# KiCad board boatcontrol.kicad_pcb (continued)
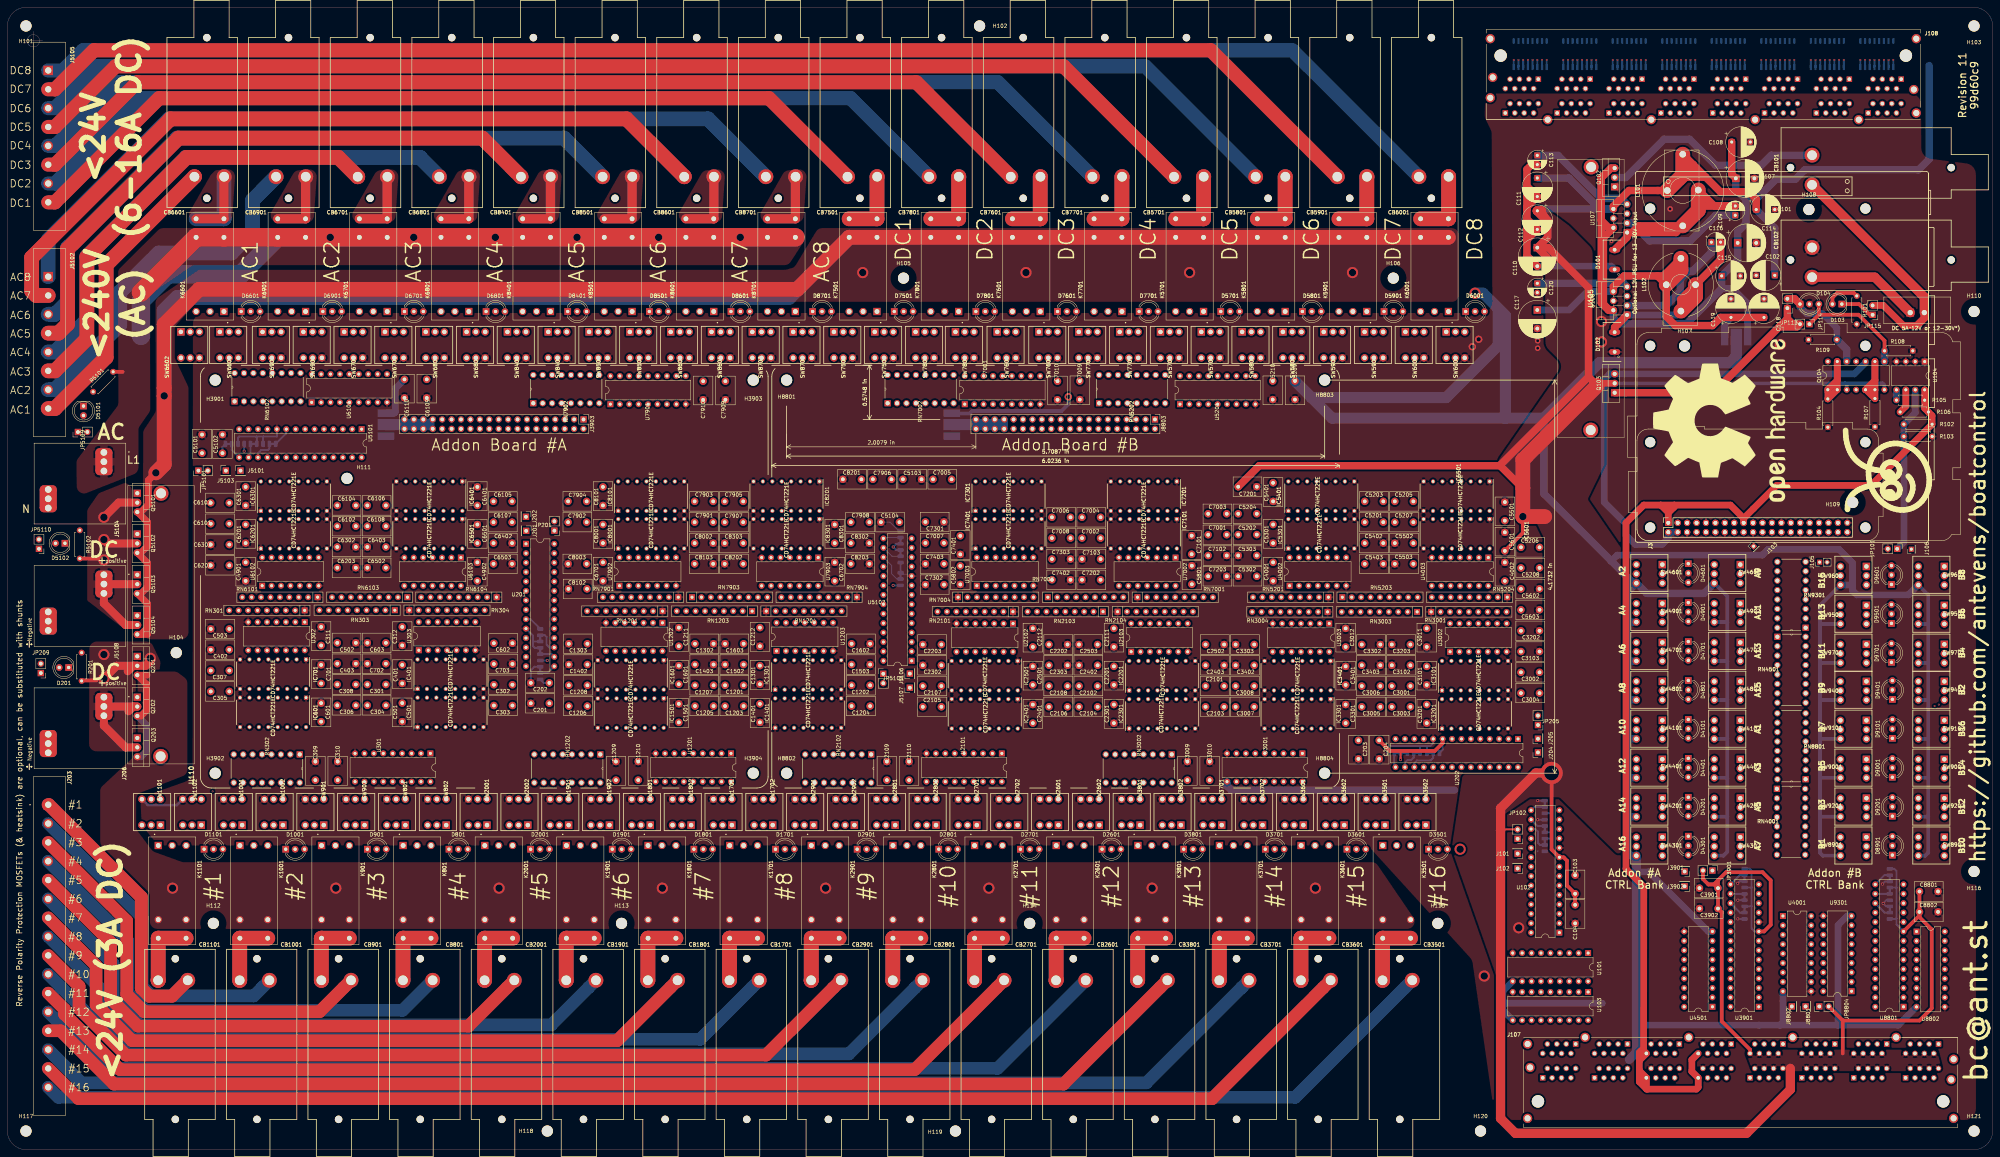
[diagram p0: board, top side]
## Placement (name value [footprint] x y rotation side) (continued)
H121  MountingHole  [MountingHole_3mm]  530 5 0 top
H3901  MountingHole  [MountingHole_3mm]  56 207.5 0 top
H3902  MountingHole  [MountingHole_3mm]  56 101.5 0 top
H3903  MountingHole  [MountingHole_3mm]  201 207.5 0 top
H3904  MountingHole  [MountingHole_3mm]  201 101.5 0 top
H8801  MountingHole  [MountingHole_3mm]  210 207.5 0 top
H8802  MountingHole  [MountingHole_3mm]  210 101.5 0 top
H8803  MountingHole  [MountingHole_3mm]  355 207.5 0 top
H8804  MountingHole  [MountingHole_3mm]  355 101.5 0 top
IC401  CD74HCT221E  [DIP794W53P254L1930H508Q16N]  119.41 128.2 90 top
IC501  CD74HCT221E  [DIP794W53P254L1930H508Q16N]  119.41 117.9 90 top
IC601  CD74HCT221E  [DIP794W53P254L1930H508Q16N]  71.59 117.9 270 top
IC701  CD74HCT221E  [DIP794W53P254L1930H508Q16N]  71.59 128.2 270 top
IC1301  CD74HCT221E  [DIP794W53P254L1930H508Q16N]  215.81 128 90 top
IC1401  CD74HCT221E  [DIP794W53P254L1930H508Q16N]  215.81 117.7 90 top
IC1501  CD74HCT221E  [DIP794W53P254L1930H508Q16N]  167.99 117.7 270 top
IC1601  CD74HCT221E  [DIP794W53P254L1930H508Q16N]  167.99 128 270 top
IC2201  CD74HCT221E  [DIP794W53P254L1930H508Q16N]  311.21 127.8 90 top
IC2301  CD74HCT221E  [DIP794W53P254L1930H508Q16N]  311.21 117.5 90 top
IC2401  CD74HCT221E  [DIP794W53P254L1930H508Q16N]  263.39 117.5 270 top
IC2501  CD74HCT221E  [DIP794W53P254L1930H508Q16N]  263.39 127.8 270 top
IC3101  CD74HCT221E  [DIP794W53P254L1930H508Q16N]  395.51 127.8 90 top
IC3201  CD74HCT221E  [DIP794W53P254L1930H508Q16N]  395.51 117.5 90 top
IC3301  CD74HCT221E  [DIP794W53P254L1930H508Q16N]  347.69 117.5 270 top
IC3401  CD74HCT221E  [DIP794W53P254L1930H508Q16N]  347.69 127.8 270 top
IC5301  CD74HCT221E  [DIP794W53P254L1930H508Q16N]  354.1 166.05 90 top
IC5401  CD74HCT221E  [DIP794W53P254L1930H508Q16N]  354.1 176.2 90 top
IC5501  CD74HCT221E  [DIP794W53P254L1930H508Q16N]  390.56 176.2 270 top
IC5601  CD74HCT221E  [DIP794W53P254L1930H508Q16N]  390.56 166.05 270 top
IC6201  CD74HCT221E  [DIP794W53P254L1930H508Q16N]  77.19 166.05 90 top
IC6301  CD74HCT221E  [DIP794W53P254L1930H508Q16N]  77.19 176.2 90 top
IC6401  CD74HCT221E  [DIP794W53P254L1930H508Q16N]  113.71 176.2 270 top
IC6501  CD74HCT221E  [DIP794W53P254L1930H508Q16N]  113.71 166.05 270 top
IC7101  CD74HCT221E  [DIP794W53P254L1930H508Q16N]  306.25 166.05 270 top
IC7201  CD74HCT221E  [DIP794W53P254L1930H508Q16N]  306.25 176.2 270 top
IC7301  CD74HCT221E  [DIP794W53P254L1930H508Q16N]  269.8 176.2 90 top
IC7401  CD74HCT221E  [DIP794W53P254L1930H508Q16N]  269.8 166.05 90 top
IC8001  CD74HCT221E  [DIP794W53P254L1930H508Q16N]  173.5 166.05 90 top
IC8101  CD74HCT221E  [DIP794W53P254L1930H508Q16N]  173.5 176.2 90 top
IC8201  CD74HCT221E  [DIP794W53P254L1930H508Q16N]  209.96 176.2 270 top
IC8301  CD74HCT221E  [DIP794W53P254L1930H508Q16N]  209.96 166.05 270 top
J3  40HAT  [Raspberry_Pi_Any_Socketed_THT_FaceDown_MountingHoles]  438.98 164 90 top
J101  Conn_01x01_Male  [PinHeader_1x01_P2.54mm_Vertical]  407 79.8 180 top
J102  Conn_01x01_Male  [PinHeader_1x01_P2.54mm_Vertical]  407 75.8 180 top
J103  Conn_01x01_Male  [PinHeader_1x01_P2.00mm_Vertical]  470.6 162.7 45 top
J105  Conn_01x02_Male  [PinHeader_1x02_P2.00mm_Vertical]  488.4 158.4 90 top
J106  Conn_01x01_Male  [PinHeader_1x01_P2.00mm_Vertical]  513.1 161.9 90 top
J107  SS73100-047F  [STEWART_SS73100-047F]  453.12 13 0 top
J108  SS73100-047F  [STEWART_SS73100-047F]  471 295 180 top
J111  TBL008V-1000-02BE  [CUI_TBP02R2W-381-02BE]  512.8 225.7 0 top
J201  Conn_01x01_Male  [PinHeader_1x01_P2.54mm_Vertical]  139.8 166.85 270 top
J202  Conn_01x01_Male  [PinHeader_1x01_P2.54mm_Vertical]  139.75 170.65 270 top
J203  TBP01R2W-508-16BE  [CUI_TBP01R2W-508-16BE]  11 93 270 top
J204  Conn_01x01_Male  [PinHeader_1x01_P2.54mm_Vertical]  412.48 107.09 90 top
J205  Conn_01x01_Male  [PinHeader_1x01_P2.54mm_Vertical]  412.48 110.79 90 top
J206  TBL008V-1000-02BE  [CUI_TBL008V-1000-02BE]  26 122 270 top
J3901  Conn_01x01_Male  [PinHeader_1x01_P2.54mm_Vertical]  452 75 180 top
J3902  Conn_01x01_Male  [PinHeader_1x01_P2.54mm_Vertical]  452 71 180 top
J3903  Conn_02x20_Odd_Even Socket  [PinHeader_2x20_P2.54mm_Vertical]  155.26 196.9 270 top
J5101  Conn_01x01_Male  [PinHeader_1x01_P2.54mm_Vertical]  62.82 183.09 0 top
J5102  TBP01R2W-508-08BE  [CUI_TBP01R2W-508-08BE]  11 235.4 270 top
J5103  Conn_01x01_Male  [PinHeader_1x01_P2.54mm_Vertical]  58.87 183.09 0 top
J5104  TBL008V-1000-02BE  [CUI_TBL008V-1000-02BE]  26 188 270 top
J5105  TBP01R2W-508-08BE  [CUI_TBP01R2W-508-08BE]  11 291 270 top
J5106  Conn_01x01_Male  [PinHeader_1x01_P2.54mm_Vertical]  243.2 128.35 90 top
J5107  Conn_01x01_Male  [PinHeader_1x01_P2.54mm_Vertical]  243.2 124.55 90 top
J5108  TBL008V-1000-02BE  [CUI_TBL008V-1000-02BE]  26 155 270 top
J8801  Conn_01x01_Male  [PinHeader_1x01_P2.54mm_Vertical]  484.6 38.6 90 top
J8802  Conn_01x01_Male  [PinHeader_1x01_P2.54mm_Vertical]  480.9 38.6 90 top
J8803  Conn_02x20_Odd_Even Socket  [PinHeader_2x20_P2.54mm_Vertical]  309.26 196.9 270 top
JP101  Jumper_NO_Small  [PinHeader_1x02_P2.54mm_Vertical]  509.3 162 270 top
JP102  Jumper_NO_Small  [PinHeader_1x02_P2.54mm_Vertical]  407 83.8 180 top
JP103  SolderJumper_3_Bridged12  [SolderJumper-3_LargeGap_Bridged12_RoundedPad1.0x1.5mm]  414.3 82.15 270 bottom
JP104  SolderJumper_3_Bridged12  [SolderJumper-3_LargeGap_Bridged12_RoundedPad1.0x1.5mm]  414.3 87.25 90 bottom
JP105  SolderJumper_3_Bridged12  [SolderJumper-3_LargeGap_Bridged12_RoundedPad1.0x1.5mm]  414.3 92.4 270 bottom
JP106  SolderJumper_3_Bridged12  [SolderJumper-3_LargeGap_Bridged12_RoundedPad1.0x1.5mm]  507.3 63.9 270 bottom
JP107  SolderJumper_3_Bridged12  [SolderJumper-3_LargeGap_Bridged12_RoundedPad1.0x1.5mm]  507.3 68.95 270 bottom
JP108  SolderJumper_3_Bridged12  [SolderJumper-3_LargeGap_Bridged12_RoundedPad1.0x1.5mm]  507.3 74 90 bottom
JP109  SolderJumper_3_Bridged12  [SolderJumper-3_LargeGap_Bridged12_RoundedPad1.0x1.5mm]  468.15 63.9 270 bottom
JP110  SolderJumper_3_Open  [SolderJumper-3_P1.3mm_Open_RoundedPad3.0x4.5mm_NumberLabels]  465.9 219.1 0 bottom
JP111  SolderJumper_3_Bridged12  [SolderJumper-3_LargeGap_Bridged12_RoundedPad1.0x1.5mm]  468.15 68.95 90 bottom
JP112  SolderJumper_3_Bridged12  [SolderJumper-3_LargeGap_Bridged12_RoundedPad1.0x1.5mm]  468.15 74.05 90 bottom
JP113  Jumper_NO_Small  [PinHeader_1x02_P2.54mm_Vertical]  479.7 226.9 180 top
JP114  Jumper_NC_Small  [PinHeader_1x02_P2.54mm_Vertical]  485.65 222.6 270 top
JP115  Jumper_NC_Small  [PinHeader_1x02_P2.54mm_Vertical]  502.67 225.1 180 top
JP201  Jumper_NO_Small  [PinHeader_1x02_P2.54mm_Vertical]  147.4 166.9 180 top
JP202  SolderJumper_3_Bridged12  [SolderJumper-3_LargeGap_Bridged12_RoundedPad1.0x1.5mm]  143.6 138.7 90 bottom
JP203  SolderJumper_3_Bridged12  [SolderJumper-3_LargeGap_Bridged12_RoundedPad1.0x1.5mm]  143.6 133.6 270 bottom
JP204  SolderJumper_3_Bridged12  [SolderJumper-3_LargeGap_Bridged12_RoundedPad1.0x1.5mm]  143.6 128.5 270 bottom
JP205  Jumper_NO_Small  [PinHeader_1x02_P2.54mm_Vertical]  412.48 114.49 180 top
JP206  SolderJumper_3_Bridged12  [SolderJumper-3_LargeGap_Bridged12_RoundedPad1.0x1.5mm]  384.25 106.95 0 bottom
JP207  SolderJumper_3_Bridged12  [SolderJumper-3_LargeGap_Bridged12_RoundedPad1.0x1.5mm]  379 107 180 bottom
JP208  SolderJumper_3_Bridged12  [SolderJumper-3_LargeGap_Bridged12_RoundedPad1.0x1.5mm]  373.75 106.94 180 bottom
JP209  Jumper_NC_Small  [PinHeader_1x02_P2.54mm_Vertical]  9 128.5 180 top
JP210  SolderJumper_3_Bridged12  [SolderJumper-3_P1.3mm_Open_RoundedPad3.0x4.5mm_NumberLabels]  254.5 195.5 90 bottom
JP3901  Jumper_NO_Small  [PinHeader_1x02_P2.54mm_Vertical]  459.5 75.25 270 top
JP5101  Jumper_NO_Small  [PinHeader_1x02_P2.54mm_Vertical]  51.46 183.09 90 top
JP5102  SolderJumper_3_Bridged12  [SolderJumper-3_LargeGap_Bridged12_RoundedPad1.0x1.5mm]  70.6 190.3 180 bottom
JP5103  SolderJumper_3_Bridged12  [SolderJumper-3_LargeGap_Bridged12_RoundedPad1.0x1.5mm]  65.5 190.3 180 bottom
JP5104  SolderJumper_3_Bridged12  [SolderJumper-3_LargeGap_Bridged12_RoundedPad1.0x1.5mm]  60.45 190.29 0 bottom
JP5105  Jumper_NO_Small  [PinHeader_1x02_P2.54mm_Vertical]  236.05 128.3 0 top
JP5106  SolderJumper_3_Bridged12  [SolderJumper-3_LargeGap_Bridged12_RoundedPad1.0x1.5mm]  240.7 153.85 270 bottom
JP5107  SolderJumper_3_Bridged12  [SolderJumper-3_LargeGap_Bridged12_RoundedPad1.0x1.5mm]  240.7 160 270 bottom
JP5108  SolderJumper_3_Bridged12  [SolderJumper-3_LargeGap_Bridged12_RoundedPad1.0x1.5mm]  240.7 165.05 90 bottom
JP5109  Jumper_NC_Small  [PinHeader_1x02_P2.54mm_Vertical]  19 193.5 90 top
JP5110  Jumper_NC_Small  [PinHeader_1x02_P2.54mm_Vertical]  8.5 162 180 top
JP8701  SolderJumper_3_Bridged12  [SolderJumper-3_P1.3mm_Open_RoundedPad3.0x4.5mm_NumberLabels]  102 195.5 90 bottom
JP8804  Jumper_NO_Small  [PinHeader_1x02_P2.54mm_Vertical]  488.3 38.6 90 top
K801  G5RL-K1A-E-DC12  [RELAY_G5RL-K1A-E-DC12]  110.4 72 270 top
K901  G5RL-K1A-E-DC12  [RELAY_G5RL-K1A-E-DC12]  88.4 72 270 top
K1001  G5RL-K1A-E-DC12  [RELAY_G5RL-K1A-E-DC12]  66.4 72 270 top
K1101  G5RL-K1A-E-DC12  [RELAY_G5RL-K1A-E-DC12]  44.4 72 270 top
K1701  G5RL-K1A-E-DC12  [RELAY_G5RL-K1A-E-DC12]  198.4 72 270 top
K1801  G5RL-K1A-E-DC12  [RELAY_G5RL-K1A-E-DC12]  176.4 72 270 top
K1901  G5RL-K1A-E-DC12  [RELAY_G5RL-K1A-E-DC12]  154.4 72 270 top
K2001  G5RL-K1A-E-DC12  [RELAY_G5RL-K1A-E-DC12]  132.4 72 270 top
K2601  G5RL-K1A-E-DC12  [RELAY_G5RL-K1A-E-DC12]  286.4 72 270 top
K2701  G5RL-K1A-E-DC12  [RELAY_G5RL-K1A-E-DC12]  264.4 72 270 top
K2801  G5RL-K1A-E-DC12  [RELAY_G5RL-K1A-E-DC12]  242.4 72 270 top
K2901  G5RL-K1A-E-DC12  [RELAY_G5RL-K1A-E-DC12]  220.4 72 270 top
K3501  G5RL-K1A-E-DC12  [RELAY_G5RL-K1A-E-DC12]  374.4 72 270 top
K3601  G5RL-K1A-E-DC12  [RELAY_G5RL-K1A-E-DC12]  352.4 72 270 top
K3701  G5RL-K1A-E-DC12  [RELAY_G5RL-K1A-E-DC12]  330.4 72 270 top
K3801  G5RL-K1A-E-DC12  [RELAY_G5RL-K1A-E-DC12]  308.4 72 270 top
K5701  G5RL-K1A-E-DC12  [RELAY_G5RL-K1A-E-DC12]  318.6 236 90 top
K5801  G5RL-K1A-E-DC12  [RELAY_G5RL-K1A-E-DC12]  340.6 236 90 top
K5901  G5RL-K1A-E-DC12  [RELAY_G5RL-K1A-E-DC12]  362.6 236 90 top
K6001  G5RL-K1A-E-DC12  [RELAY_G5RL-K1A-E-DC12]  384.6 236 90 top
K6601  G5RL-K1A-E-DC12  [RELAY_G5RL-K1A-E-DC12]  54.6 236 90 top
K6701  G5RL-K1A-E-DC12  [RELAY_G5RL-K1A-E-DC12]  98.6 236 90 top
K6801  G5RL-K1A-E-DC12  [RELAY_G5RL-K1A-E-DC12]  120.6 236 90 top
K6901  G5RL-K1A-E-DC12  [RELAY_G5RL-K1A-E-DC12]  76.6 236 90 top
K7501  G5RL-K1A-E-DC12  [RELAY_G5RL-K1A-E-DC12]  230.6 236 90 top
K7601  G5RL-K1A-E-DC12  [RELAY_G5RL-K1A-E-DC12]  274.6 236 90 top
K7701  G5RL-K1A-E-DC12  [RELAY_G5RL-K1A-E-DC12]  296.6 236 90 top
K7801  G5RL-K1A-E-DC12  [RELAY_G5RL-K1A-E-DC12]  252.6 236 90 top
K8401  G5RL-K1A-E-DC12  [RELAY_G5RL-K1A-E-DC12]  142.6 236 90 top
K8501  G5RL-K1A-E-DC12  [RELAY_G5RL-K1A-E-DC12]  164.6 236 90 top
K8601  G5RL-K1A-E-DC12  [RELAY_G5RL-K1A-E-DC12]  186.6 236 90 top
K8701  G5RL-K1A-E-DC12  [RELAY_G5RL-K1A-E-DC12]  208.6 236 90 top
L101  15µH  [L_Toroid_Horizontal_Vertical_2103-RC_P19.403mm_Bourns_2100]  451.5 249.1 90 top
L102  10µH  [L_Toroid_Horizontal_Vertical_2000-100-RC_P14.244mm_Bourns_2000]  451 225.6 90 top
LOGO101  Open Hardware  [OSHW-Logo2_48.7x40mm_SilkScreen]  462 196.6 90 top
LOGO102  Logo_Open_Hardware_Small  [KiCad-Logo2_40mm_SilkScreen]  507.5 225 270 bottom
LOGO103  Logo_Open_Hardware_Small  [OSHW-Logo_38.1x40mm_SilkScreen]  378 27 270 bottom
Q102  IPP120P04P4L-03  [TO-220-3_Vertical]  433.15 259.6 90 top
Q103  IPP120P04P4L-03  [TO-220-3_Vertical]  433.15 204.1 90 top
Q104  Q_QUAD_PNP  [DIP-14_W7.62mm]  490.6 204.9 90 top
Q201  IPP120P04P4L-03  [TO-220-3_Vertical]  35 133 270 top
Q202  IPP120P04P4L-03  [TO-220-3_Vertical]  35 122 270 top
Q203  IPP120P04P4L-03  [TO-220-3_Vertical]  35 111 270 top
Q5101  IPP120P04P4L-03  [TO-220-3_Vertical]  35 177 270 top
Q5102  IPP120P04P4L-03  [TO-220-3_Vertical]  35 166 270 top
Q5103  IPP120P04P4L-03  [TO-220-3_Vertical]  35 155 270 top
Q5104  IPP120P04P4L-03  [TO-220-3_Vertical]  35 144 270 top
R101  680Ω  [R_Axial_DIN0207_L6.3mm_D2.5mm_P7.62mm_Horizontal]  498.4 230.2 270 top
R102  10K  [R_Axial_DIN0207_L6.3mm_D2.5mm_P7.62mm_Horizontal]  518.7 195.6 180 top
R103  DNP  [R_Axial_DIN0207_L6.3mm_D2.5mm_P7.62mm_Horizontal]  511.1 192.3 0 top
R104  10K  [R_Axial_DIN0207_L6.3mm_D2.5mm_P7.62mm_Horizontal]  490.6 194.8 90 top
R105  3.9K  [R_Axial_DIN0207_L6.3mm_D2.5mm_P7.62mm_Horizontal]  516.7 202.1 180 top
R106  3.9K  [R_Axial_DIN0207_L6.3mm_D2.5mm_P7.62mm_Horizontal]  517.7 198.9 180 top
R107  10K  [R_Axial_DIN0207_L6.3mm_D2.5mm_P7.62mm_Horizontal]  503.3 194.9 90 top
R108  47K  [R_Axial_DIN0207_L6.3mm_D2.5mm_P7.62mm_Horizontal]  513.5 215.4 180 top
R109  47K  [R_Axial_DIN0207_L6.3mm_D2.5mm_P7.62mm_Horizontal]  485.4 218.4 0 top
R201  680Ω  [R_Axial_DIN0207_L6.3mm_D2.5mm_P7.62mm_Horizontal]  20 134 270 top
R5101  12KΩ  [R_Axial_DIN0207_L6.3mm_D2.5mm_P7.62mm_Horizontal]  23.1 204.35 45 top
R5102  680Ω  [R_Axial_DIN0207_L6.3mm_D2.5mm_P7.62mm_Horizontal]  19.5 167 270 top
RN101  10KΩ  [SOIC-16W_5.3x10.2mm_P1.27mm]  410.4 295.4 90 bottom
RN102  10KΩ  [SOIC-16W_5.3x10.2mm_P1.27mm]  423.74 295.4 90 bottom
RN103  10KΩ  [SOIC-16W_5.3x10.2mm_P1.27mm]  437.09 295.4 90 bottom
RN104  10KΩ  [SOIC-16W_5.3x10.2mm_P1.27mm]  450.43 295.4 90 bottom
RN105  10KΩ  [SOIC-16W_5.3x10.2mm_P1.27mm]  463.77 295.4 90 bottom
RN106  10KΩ  [SOIC-16W_5.3x10.2mm_P1.27mm]  477.11 295.4 90 bottom
RN107  10KΩ  [SOIC-16W_5.3x10.2mm_P1.27mm]  490.46 295.4 90 bottom
RN108  10KΩ  [SOIC-16W_5.3x10.2mm_P1.27mm]  503.8 295.4 90 bottom
RN301  100KΩ  [R_Array_SIP9]  80.1 145.4 180 top
RN302  680Ω  [DIP254P762X432-16P]  61 98.95 270 top
RN303  10MΩ  [R_Array_SIP9]  104.4 145.45 180 top
RN304  100KΩ  [R_Array_SIP9]  108.3 145.45 0 top
RN1201  100KΩ  [R_Array_SIP9]  176.55 145.2 180 top
RN1202  680Ω  [DIP254P762X432-16P]  142 98.95 270 top
RN1203  10MΩ  [R_Array_SIP9]  200.7 145.2 180 top
RN1204  100KΩ  [R_Array_SIP9]  204.5 145.2 0 top
RN2101  100KΩ  [R_Array_SIP9]  270.99 145.05 180 top
RN2102  680Ω  [DIP254P762X432-16P]  215 98.95 270 top
RN2103  10MΩ  [R_Array_SIP9]  295.26 145.05 180 top
RN2104  100KΩ  [R_Array_SIP9]  299.19 145.05 0 top
RN3001  100KΩ  [R_Array_SIP9]  383.7 145 0 top
RN3002  680Ω  [DIP254P762X432-16P]  296 98.95 270 top
RN3003  10MΩ  [R_Array_SIP9]  379.92 145 180 top
RN3004  100KΩ  [R_Array_SIP9]  355.78 145 180 top
RN4001  4116R-1-471  [DIP254P762X432-16P]  484.5 79.5 0 top
RN4501  4116R-1-471  [DIP254P762X432-16P]  484.62 120.5 0 top
RN5201  100KΩ  [R_Array_SIP9]  356 148.95 180 top
RN5202  680Ω  [DIP254P762X432-16P]  312 208.89 90 top
RN5203  10MΩ  [R_Array_SIP9]  359.75 148.95 0 top
RN5204  100KΩ  [R_Array_SIP9]  404.2 148.95 180 top
RN6101  100KΩ  [R_Array_SIP9]  83.6 148.95 180 top
RN6102  680Ω  [DIP254P762X432-16P]  79 209.39 90 top
RN6103  10MΩ  [R_Array_SIP9]  107.8 148.95 180 top
RN6104  100KΩ  [R_Array_SIP9]  131.82 148.95 180 top
RN7001  100KΩ  [R_Array_SIP9]  304.55 148.95 0 top
RN7002  680Ω  [DIP254P762X432-16P]  255 208.89 90 top
RN7003  10MΩ  [R_Array_SIP9]  280.4 148.95 0 top
RN7004  100KΩ  [R_Array_SIP9]  256.2 148.95 0 top
RN7901  100KΩ  [R_Array_SIP9]  180.8 148.95 180 top
RN7902  680Ω  [DIP254P762X432-16P]  159.5 208.89 90 top
RN7903  10MΩ  [R_Array_SIP9]  184.5 148.95 0 top
RN7904  100KΩ  [R_Array_SIP9]  228.9 148.95 180 top
RN8801  4116R-1-471  [DIP254P762X432-16P]  477 117.66 180 top
RN9301  4116R-1-471  [DIP254P762X432-16P]  477 158.5 180 top
SW801  ESB30  [SW_PUSH_ESB30_DPDT]  105 91 90 top
SW802  ESB30  [SW_PUSH_ESB30_DPDT]  116 91 90 top
SW901  ESB30  [SW_PUSH_ESB30_DPDT]  83 91 90 top
SW902  ESB30  [SW_PUSH_ESB30_DPDT]  94 91 90 top
SW1001  ESB30  [SW_PUSH_ESB30_DPDT]  61 91 90 top
SW1002  ESB30  [SW_PUSH_ESB30_DPDT]  72 91 90 top
SW1101  ESB30  [SW_PUSH_ESB30_DPDT]  39 91 90 top
SW1102  ESB30  [SW_PUSH_ESB30_DPDT]  50 91 90 top
SW1701  ESB30  [SW_PUSH_ESB30_DPDT]  193 91 90 top
SW1702  ESB30  [SW_PUSH_ESB30_DPDT]  204 91 90 top
SW1801  ESB30  [SW_PUSH_ESB30_DPDT]  171 91 90 top
SW1802  ESB30  [SW_PUSH_ESB30_DPDT]  182 91 90 top
SW1901  ESB30  [SW_PUSH_ESB30_DPDT]  149 91 90 top
SW1902  ESB30  [SW_PUSH_ESB30_DPDT]  160 91 90 top
SW2001  ESB30  [SW_PUSH_ESB30_DPDT]  127 91 90 top
SW2002  ESB30  [SW_PUSH_ESB30_DPDT]  138 91 90 top
SW2601  ESB30  [SW_PUSH_ESB30_DPDT]  281 91 90 top
SW2602  ESB30  [SW_PUSH_ESB30_DPDT]  292 91 90 top
SW2701  ESB30  [SW_PUSH_ESB30_DPDT]  259 91 90 top
SW2702  ESB30  [SW_PUSH_ESB30_DPDT]  270 91 90 top
SW2801  ESB30  [SW_PUSH_ESB30_DPDT]  237 91 90 top
SW2802  ESB30  [SW_PUSH_ESB30_DPDT]  248 91 90 top
SW2901  ESB30  [SW_PUSH_ESB30_DPDT]  215 91 90 top
SW2902  ESB30  [SW_PUSH_ESB30_DPDT]  226 91 90 top
SW3501  ESB30  [SW_PUSH_ESB30_DPDT]  369 91 90 top
SW3502  ESB30  [SW_PUSH_ESB30_DPDT]  380 91 90 top
SW3601  ESB30  [SW_PUSH_ESB30_DPDT]  347 91 90 top
SW3602  ESB30  [SW_PUSH_ESB30_DPDT]  358 91 90 top
SW3701  ESB30  [SW_PUSH_ESB30_DPDT]  325 91 90 top
SW3702  ESB30  [SW_PUSH_ESB30_DPDT]  336 91 90 top
SW3801  ESB30  [SW_PUSH_ESB30_DPDT]  303 91 90 top
SW3802  ESB30  [SW_PUSH_ESB30_DPDT]  314 91 90 top
SW4101  ESB30  [SW_PUSH_ESB30_DPDT]  442.5 113.5 180 top
SW4102  ESB30  [SW_PUSH_ESB30_DPDT]  463.5 113.5 180 top
SW4201  ESB30  [SW_PUSH_ESB30_DPDT]  442.5 92.5 180 top
SW4202  ESB30  [SW_PUSH_ESB30_DPDT]  463.5 92.5 180 top
SW4301  ESB30  [SW_PUSH_ESB30_DPDT]  442.5 82 180 top
SW4302  ESB30  [SW_PUSH_ESB30_DPDT]  463.5 82 180 top
SW4401  ESB30  [SW_PUSH_ESB30_DPDT]  442.5 103 180 top
SW4402  ESB30  [SW_PUSH_ESB30_DPDT]  463.5 103 180 top
SW4601  ESB30  [SW_PUSH_ESB30_DPDT]  442.5 155.5 180 top
SW4602  ESB30  [SW_PUSH_ESB30_DPDT]  463.5 155.5 180 top
SW4701  ESB30  [SW_PUSH_ESB30_DPDT]  442.5 134.5 180 top
SW4702  ESB30  [SW_PUSH_ESB30_DPDT]  463.5 134.5 180 top
SW4801  ESB30  [SW_PUSH_ESB30_DPDT]  442.5 124 180 top
SW4802  ESB30  [SW_PUSH_ESB30_DPDT]  463.5 124 180 top
SW4901  ESB30  [SW_PUSH_ESB30_DPDT]  442.5 145 180 top
SW4902  ESB30  [SW_PUSH_ESB30_DPDT]  463.5 145 180 top
SW5701  ESB30  [SW_PUSH_ESB30_DPDT]  324 217 270 top
SW5702  ESB30  [SW_PUSH_ESB30_DPDT]  313 217 270 top
SW5801  ESB30  [SW_PUSH_ESB30_DPDT]  346 217 270 top
SW5802  ESB30  [SW_PUSH_ESB30_DPDT]  335 217 270 top
SW5901  ESB30  [SW_PUSH_ESB30_DPDT]  368 217 270 top
SW5902  ESB30  [SW_PUSH_ESB30_DPDT]  357 217 270 top
SW6001  ESB30  [SW_PUSH_ESB30_DPDT]  390 217 270 top
SW6002  ESB30  [SW_PUSH_ESB30_DPDT]  379 217 270 top
SW6601  ESB30  [SW_PUSH_ESB30_DPDT]  59.5 217 270 top
SW6602  ESB30  [SW_PUSH_ESB30_DPDT]  49 217 270 top
SW6701  ESB30  [SW_PUSH_ESB30_DPDT]  104 217 270 top
SW6702  ESB30  [SW_PUSH_ESB30_DPDT]  93 217 270 top
SW6801  ESB30  [SW_PUSH_ESB30_DPDT]  126 217 270 top
SW6802  ESB30  [SW_PUSH_ESB30_DPDT]  115 217 270 top
SW6901  ESB30  [SW_PUSH_ESB30_DPDT]  82 217 270 top
SW6902  ESB30  [SW_PUSH_ESB30_DPDT]  71 217 270 top
SW7501  ESB30  [SW_PUSH_ESB30_DPDT]  236 217 270 top
SW7502  ESB30  [SW_PUSH_ESB30_DPDT]  225 217 270 top
SW7601  ESB30  [SW_PUSH_ESB30_DPDT]  280.25 217 270 top
SW7602  ESB30  [SW_PUSH_ESB30_DPDT]  269 217 270 top
SW7701  ESB30  [SW_PUSH_ESB30_DPDT]  302 217 270 top
SW7702  ESB30  [SW_PUSH_ESB30_DPDT]  291 217 270 top
SW7801  ESB30  [SW_PUSH_ESB30_DPDT]  257.75 217 270 top
SW7802  ESB30  [SW_PUSH_ESB30_DPDT]  247 217 270 top
SW8401  ESB30  [SW_PUSH_ESB30_DPDT]  148 217 270 top
SW8402  ESB30  [SW_PUSH_ESB30_DPDT]  137 217 270 top
SW8501  ESB30  [SW_PUSH_ESB30_DPDT]  170 217 270 top
SW8502  ESB30  [SW_PUSH_ESB30_DPDT]  159 217 270 top
SW8601  ESB30  [SW_PUSH_ESB30_DPDT]  192 217 270 top
SW8602  ESB30  [SW_PUSH_ESB30_DPDT]  181 217 270 top
SW8701  ESB30  [SW_PUSH_ESB30_DPDT]  214 217 270 top
SW8702  ESB30  [SW_PUSH_ESB30_DPDT]  203 217 270 top
SW8901  ESB30  [SW_PUSH_ESB30_DPDT]  497.5 82 180 top
SW8902  ESB30  [SW_PUSH_ESB30_DPDT]  518.5 82 180 top
SW9001  ESB30  [SW_PUSH_ESB30_DPDT]  497.5 103 180 top
SW9002  ESB30  [SW_PUSH_ESB30_DPDT]  518.5 103 180 top
SW9101  ESB30  [SW_PUSH_ESB30_DPDT]  497.5 113.5 180 top
SW9102  ESB30  [SW_PUSH_ESB30_DPDT]  518.5 113.5 180 top
SW9201  ESB30  [SW_PUSH_ESB30_DPDT]  497.5 92.5 180 top
SW9202  ESB30  [SW_PUSH_ESB30_DPDT]  518.5 92.5 180 top
SW9401  ESB30  [SW_PUSH_ESB30_DPDT]  497.5 124 180 top
SW9402  ESB30  [SW_PUSH_ESB30_DPDT]  518.5 124 180 top
SW9501  ESB30  [SW_PUSH_ESB30_DPDT]  497.5 144.5 180 top
SW9502  ESB30  [SW_PUSH_ESB30_DPDT]  518.5 144.5 180 top
SW9601  ESB30  [SW_PUSH_ESB30_DPDT]  497.5 155 180 top
SW9602  ESB30  [SW_PUSH_ESB30_DPDT]  518.5 155 180 top
SW9701  ESB30  [SW_PUSH_ESB30_DPDT]  497.5 134 180 top
SW9702  ESB30  [SW_PUSH_ESB30_DPDT]  518.5 134 180 top
U101  ULN2803A  [DIP-18_W7.62mm]  426 53 270 top
U102  MCP23017-E/SP  [DIP-28_W7.62mm]  418.25 58.5 180 top
U103  ULN2803A  [DIP-18_W7.62mm]  426 42.5 270 top
U104  24FC128-I/P  [DIP-8_W7.62mm]  516.7 212.5 270 top
U105  OMNI-220-18-75-3C  [OMNI22018753C]  426.7 200 270 top
U107  LM2679T-5.0  [TO-220-7_P2.54x3.7mm_StaggerOdd_Lead3.8mm_Vertical]  436.5 247.3 90 top
U108  LM2679T-12  [TO-220-7_P2.54x3.7mm_StaggerOdd_Lead3.8mm_Vertical]  436.5 225.07 90 top
U110  OMNI-220-18-75-3C  [OMNI22018753C]  41.4 171 90 top
U201  MCP23017-E/SP  [DIP-28_W7.62mm]  139.75 163.35 0 top
U202  MCP23017-E/SP  [DIP-28_W7.62mm]  407.11 110.74 270 top
U301  ULN2803A  [DIP-18_W7.62mm]  114 106.83 270 top
U302  74HC86  [DIP-14_W7.62mm]  80.13 142.25 270 top
U303  74HC86  [DIP-14_W7.62mm]  110.87 134.65 90 top
U1201  ULN2803A  [DIP-18_W7.62mm]  195 106.83 270 top
U1202  74HC86  [DIP-14_W7.62mm]  176.53 142.05 270 top
U1203  74HC86  [DIP-14_W7.62mm]  207.27 134.45 90 top
U2101  ULN2803A  [DIP-18_W7.62mm]  268 106.83 270 top
U2102  74HC86  [DIP-14_W7.62mm]  271.01 141.85 270 top
U2103  74HC86  [DIP-14_W7.62mm]  302.84 134.25 90 top
U3001  ULN2803A  [DIP-18_W7.62mm]  349 106.83 270 top
U3002  74HC86  [DIP-14_W7.62mm]  388.8 134.25 90 top
U3003  74HC86  [DIP-14_W7.62mm]  356.23 141.85 270 top
U3901  MCP23017-E/SP  [DIP-28_W7.62mm]  472 38.5 180 top
U4001  TBD62783APG  [DIP-18_W7.62mm]  478.5 63 0 top
U4002  74HC86  [DIP-14_W7.62mm]  345.55 152.05 90 top
U4003  74HC86  [DIP-14_W7.62mm]  399.1 159.65 270 top
U4501  TBD62783APG  [DIP-18_W7.62mm]  459.5 38.5 180 top
U5101  MCP23017-E/SP  [DIP-28_W7.62mm]  95.47 194.27 270 top
U5102  MCP23017-E/SP  [DIP-28_W7.62mm]  243.7 131.8 180 top
U5201  ULN2803A  [DIP-18_W7.62mm]  316 201 90 top
U6101  ULN2803A  [DIP-18_W7.62mm]  82 201.5 90 top
U6102  74HC86  [DIP-14_W7.62mm]  68.65 152.05 90 top
U6103  74HC86  [DIP-14_W7.62mm]  122.2 159.65 270 top
U7001  ULN2803A  [DIP-18_W7.62mm]  258 201 90 top
U7002  74HC86  [DIP-14_W7.62mm]  314.8 159.65 270 top
U7003  74HC86  [DIP-14_W7.62mm]  261.25 152.05 90 top
U7901  ULN2803A  [DIP-18_W7.62mm]  162.5 201 90 top
U7902  74HC86  [DIP-14_W7.62mm]  164.95 152.05 90 top
U7903  74HC86  [DIP-14_W7.62mm]  218.5 159.65 270 top
U8801  MCP23017-E/SP  [DIP-28_W7.62mm]  511 38.5 180 top
U8802  TBD62783APG  [DIP-18_W7.62mm]  514.5 58.8 0 top
U9301  TBD62783APG  [DIP-18_W7.62mm]  497 42.7 180 top

## Footprints (pads in the part's own frame, mm; a bottom-side part is the same pattern mirrored in y, then rotated)
C_Disc_D7.5mm_W5.0mm_P5.00mm
  round 2 hole 1: 1(0,0) 2(5,0)
CP_Radial_D5.0mm_P2.50mm
  rect 1.6x1.6 hole 0.8: 1(0,0)
  round 1.6 hole 0.8: 2(2.5,0)
CP_Radial_D8.0mm_P5.00mm
  rect 1.6x1.6 hole 0.8: 1(0,0)
  round 1.6 hole 0.8: 2(5,0)
CP_Radial_D10.0mm_P5.00mm
  rect 2x2 hole 1: 1(0,0)
  round 2 hole 1: 2(5,0)
CUI_TBL008V-1000-02BE
  oval 2.3x4.6 hole 1.8: 1_1(0,0) 1_3(5,0) 2_1(10,-15) 2_3(15,-15)
  rect 5x4.6 hole 1.8: 1_2(2.5,0) 2_2(12.5,-15)
CUI_TBP01R2W-508-08BE
  rect 2.55x2.55 hole 1.7: 1(0,0)
  round 2.55 hole 1.7: 2(5.08,0) 3(10.16,0) 4(15.24,0) 5(20.32,0) 6(25.4,0) 7(30.48,0) 8(35.56,0)
CUI_TBP01R2W-508-16BE
  rect 2.55x2.55 hole 1.7: 1(0,0)
  round 2.55 hole 1.7: 2(5.08,0) 3(10.16,0) 4(15.24,0) 5(20.32,0) 6(25.4,0) 7(30.48,0) 8(35.56,0) 9(40.64,0) 10(45.72,0) 11(50.8,0) 12(55.88,0) 13(60.96,0) 14(66.04,0) 15(71.12,0) 16(76.2,0)
CUI_TBP02R2W-381-02BE
  rect 2.1x2.1 hole 1.4: 1(0,0)
  round 2.1 hole 1.4: 2(3.81,0)
DIP254P762X432-16P
  rect 1.676x1.676 hole 1.118: 1(-7.62,17.78)
  round 1.676 hole 1.118: 2(-7.62,15.24) 3(-7.62,12.7) 4(-7.62,10.16) 5(-7.62,7.62) 6(-7.62,5.08) 7(-7.62,2.54) 8(-7.62,0) 9(0,0) 10(0,2.54) 11(0,5.08) 12(0,7.62) 13(0,10.16) 14(0,12.7) 15(0,15.24) 16(0,17.78)
DIP794W53P254L1930H508Q16N
  rect 1.13x1.13 hole 0.73: 1(-3.97,8.89)
  round 1.13 hole 0.73: 2(-3.97,6.35) 3(-3.97,3.81) 4(-3.97,1.27) 5(-3.97,-1.27) 6(-3.97,-3.81) 7(-3.97,-6.35) 8(-3.97,-8.89) 9(3.97,-8.89) 10(3.97,-6.35) 11(3.97,-3.81) 12(3.97,-1.27) 13(3.97,1.27) 14(3.97,3.81) 15(3.97,6.35) 16(3.97,8.89)
DIP-8_W7.62mm
  rect 1.6x1.6 hole 0.8: 1(0,0)
  oval 1.6x1.6 hole 0.8: 2(0,-2.54) 3(0,-5.08) 4(0,-7.62) 5(7.62,-7.62) 6(7.62,-5.08) 7(7.62,-2.54) 8(7.62,0)
DIP-14_W7.62mm
  rect 1.6x1.6 hole 0.8: 1(0,0)
  oval 1.6x1.6 hole 0.8: 2(0,-2.54) 3(0,-5.08) 4(0,-7.62) 5(0,-10.16) 6(0,-12.7) 7(0,-15.24) 8(7.62,-15.24) 9(7.62,-12.7) 10(7.62,-10.16) 11(7.62,-7.62) 12(7.62,-5.08) 13(7.62,-2.54) 14(7.62,0)
DIP-18_W7.62mm
  rect 1.6x1.6 hole 0.8: 1(0,0)
  oval 1.6x1.6 hole 0.8: 2(0,-2.54) 3(0,-5.08) 4(0,-7.62) 5(0,-10.16) 6(0,-12.7) 7(0,-15.24) 8(0,-17.78) 9(0,-20.32) 10(7.62,-20.32) 11(7.62,-17.78) 12(7.62,-15.24) 13(7.62,-12.7) 14(7.62,-10.16) 15(7.62,-7.62) 16(7.62,-5.08) 17(7.62,-2.54) 18(7.62,0)
DIP-28_W7.62mm
  rect 1.6x1.6 hole 0.8: 1(0,0)
  oval 1.6x1.6 hole 0.8: 2(0,-2.54) 3(0,-5.08) 4(0,-7.62) 5(0,-10.16) 6(0,-12.7) 7(0,-15.24) 8(0,-17.78) 9(0,-20.32) 10(0,-22.86) 11(0,-25.4) 12(0,-27.94) 13(0,-30.48) 14(0,-33.02) 15(7.62,-33.02) 16(7.62,-30.48) 17(7.62,-27.94) 18(7.62,-25.4) 19(7.62,-22.86) 20(7.62,-20.32) 21(7.62,-17.78) 22(7.62,-15.24) 23(7.62,-12.7) 24(7.62,-10.16) 25(7.62,-7.62) 26(7.62,-5.08) 27(7.62,-2.54) 28(7.62,0)
L_Toroid_Horizontal_Vertical_2000-100-RC_P14.244mm_Bourns_2000
  round 3.6 hole 1.8: 1(0.508,0) 1(7.62,-3.937) 2(7.62,3.937) 2(14.732,0)
L_Toroid_Horizontal_Vertical_2103-RC_P19.403mm_Bourns_2100
  round 3.6 hole 1.8: 1(0,0) 1(9.652,-4.191) 2(9.525,4.191) 2(19.304,0)
LED_D5.0mm
  rect 1.8x1.8 hole 0.9: 1(0,0)
  round 1.8 hole 0.9: 2(2.54,0)
LED_D5.0mm-3
  rect 1.8x1.8 hole 0.9: 1(0,0)
  round 1.8 hole 0.9: 2(2.54,0) 3(5.08,0)
MountingHole_3mm
  round 3 hole 3 unplated: (0,0)
OMNI22018753C
  round 4.005 hole 2.67: 1(5.97,0) 2(-64.96,0.11)
PinHeader_1x01_P2.00mm_Vertical
  rect 1.35x1.35 hole 0.8: 1(0,0)
PinHeader_1x01_P2.54mm_Vertical
  rect 1.7x1.7 hole 1: 1(0,0)
PinHeader_1x02_P2.00mm_Vertical
  rect 1.35x1.35 hole 0.8: 1(0,0)
  oval 1.35x1.35 hole 0.8: 2(0,-2)
PinHeader_1x02_P2.54mm_Vertical
  rect 1.7x1.7 hole 1: 1(0,0)
  oval 1.7x1.7 hole 1: 2(0,-2.54)
PinHeader_2x20_P2.54mm_Vertical
  rect 1.7x1.7 hole 1: 1(0,0)
  oval 1.7x1.7 hole 1: 2(2.54,0) 3(0,-2.54) 4(2.54,-2.54) 5(0,-5.08) 6(2.54,-5.08) 7(0,-7.62) 8(2.54,-7.62) 9(0,-10.16) 10(2.54,-10.16) 11(0,-12.7) 12(2.54,-12.7) 13(0,-15.24) 14(2.54,-15.24) 15(0,-17.78) 16(2.54,-17.78) 17(0,-20.32) 18(2.54,-20.32) 19(0,-22.86) 20(2.54,-22.86) 21(0,-25.4) 22(2.54,-25.4) 23(0,-27.94) 24(2.54,-27.94) 25(0,-30.48) 26(2.54,-30.48) 27(0,-33.02) 28(2.54,-33.02) 29(0,-35.56) 30(2.54,-35.56) 31(0,-38.1) 32(2.54,-38.1) 33(0,-40.64) 34(2.54,-40.64) 35(0,-43.18) 36(2.54,-43.18) 37(0,-45.72) 38(2.54,-45.72) 39(0,-48.26) 40(2.54,-48.26)
R_Array_SIP9
  rect 1.6x1.6 hole 0.8: 1(0,0)
  oval 1.6x1.6 hole 0.8: 2(2.54,0) 3(5.08,0) 4(7.62,0) 5(10.16,0) 6(12.7,0) 7(15.24,0) 8(17.78,0) 9(20.32,0)
R_Axial_DIN0207_L6.3mm_D2.5mm_P7.62mm_Horizontal
  round 1.6 hole 0.8: 1(0,0)
  oval 1.6x1.6 hole 0.8: 2(7.62,0)
Raspberry_Pi_Any_Socketed_THT_FaceDown_MountingHoles
  round 2.75 hole 2.75 unplated: (3.75,-3.75) (3.75,-61.75) (26.75,-3.75) (26.75,-61.75) (52.75,-3.75) (52.75,-61.75) (89.75,-3.75) (89.75,-61.75)
  rect 1.7x1.7 hole 1: 1(5.02,-8.62) 1(5.02,-8.62)
  oval 1.7x1.7 hole 1: 2(2.48,-8.62) 2(2.48,-8.62) 3(5.02,-11.16) 3(5.02,-11.16) 4(2.48,-11.16) 4(2.48,-11.16) 5(5.02,-13.7) 5(5.02,-13.7) 6(2.48,-13.7) 6(2.48,-13.7) 7(5.02,-16.24) 7(5.02,-16.24) 8(2.48,-16.24) 8(2.48,-16.24) 9(5.02,-18.78) 9(5.02,-18.78) 10(2.48,-18.78) 10(2.48,-18.78) 11(5.02,-21.32) 11(5.02,-21.32) 12(2.48,-21.32) 12(2.48,-21.32) 13(5.02,-23.86) 13(5.02,-23.86) 14(2.48,-23.86) 14(2.48,-23.86) 15(5.02,-26.4) 15(5.02,-26.4) 16(2.48,-26.4) 16(2.48,-26.4) 17(5.02,-28.94) 17(5.02,-28.94) 18(2.48,-28.94) 18(2.48,-28.94) 19(5.02,-31.48) 19(5.02,-31.48) 20(2.48,-31.48) 20(2.48,-31.48) 21(5.02,-34.02) 21(5.02,-34.02) 22(2.48,-34.02) 22(2.48,-34.02) 23(5.02,-36.56) 23(5.02,-36.56) 24(2.48,-36.56) 24(2.48,-36.56) 25(5.02,-39.1) 25(5.02,-39.1) 26(2.48,-39.1) 26(2.48,-39.1) 27(5.02,-41.64) 27(5.02,-41.64) 28(2.48,-41.64) 28(2.48,-41.64) 29(5.02,-44.18) 29(5.02,-44.18) 30(2.48,-44.18) 30(2.48,-44.18) 31(5.02,-46.72) 31(5.02,-46.72) 32(2.48,-46.72) 32(2.48,-46.72) 33(5.02,-49.26) 33(5.02,-49.26) 34(2.48,-49.26) 34(2.48,-49.26) 35(5.02,-51.8) 35(5.02,-51.8) 36(2.48,-51.8) 36(2.48,-51.8) 37(5.02,-54.34) 37(5.02,-54.34) 38(2.48,-54.34) 38(2.48,-54.34) 39(5.02,-56.88) 40(2.48,-56.88) 40(2.48,-56.88)
RELAY_G5RL-K1A-E-DC12
  rect 1.95x1.95 hole 1.3: 1(-10,-3.75)
  round 1.95 hole 1.3: 3(10,-3.75) 4(15,-3.75) 5(15,3.75) 6(10,3.75) 8(-10,3.75) 9(-10,0)
Schurter_Circuit_Breaker
  round 2 hole 2 unplated: (0,-2.54) (0,-45.85)
  round 4 hole 2.6: P1(-4.65,-8.35) P2(3.35,-8.35)
SOIC-16W_5.3x10.2mm_P1.27mm
  rect 1.5x0.6 smd: 1(-3.55,4.445) 2(-3.55,3.175) 3(-3.55,1.905) 4(-3.55,0.635) 5(-3.55,-0.635) 6(-3.55,-1.905) 7(-3.55,-3.175) 8(-3.55,-4.445) 9(3.55,-4.445) 10(3.55,-3.175) 11(3.55,-1.905) 12(3.55,-0.635) 13(3.55,0.635) 14(3.55,1.905) 15(3.55,3.175) 16(3.55,4.445)
